# KiCad board panel.kicad_pcb (continued)
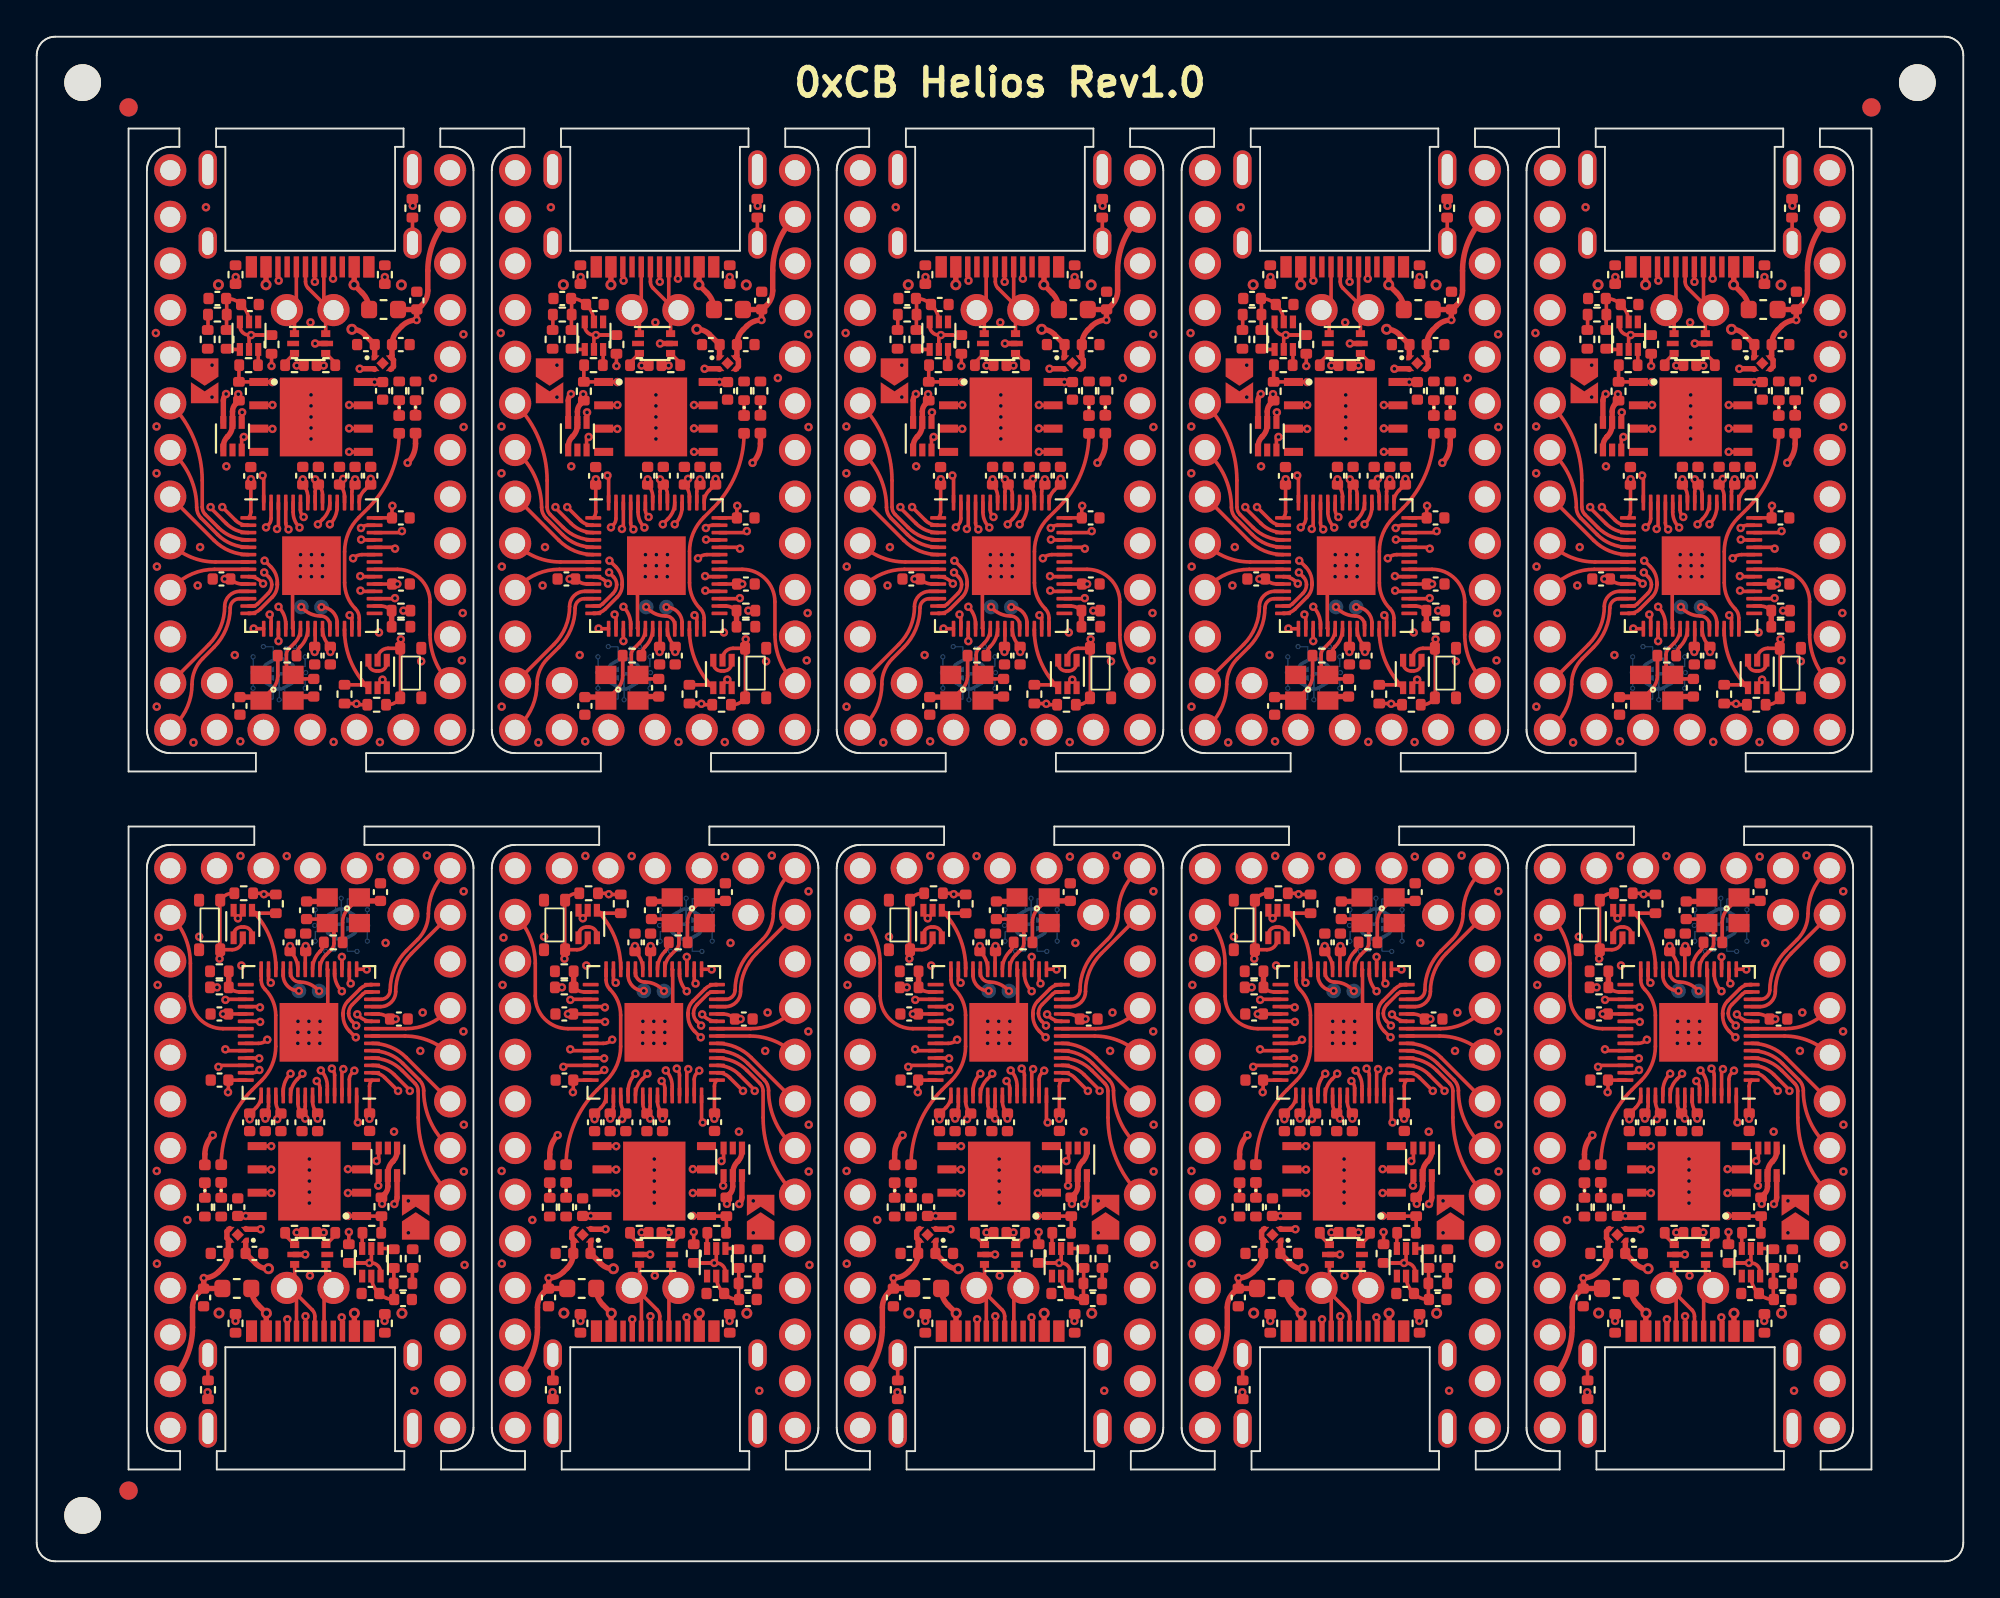
[diagram p0: board, top side]
## Nets (continued)
Board_2-VBUS: F1#7.1 J1.A4 J1.A9 J1.B4 J1.B9 R16#9.1
Board_3-+1V1: C10#4.2 C17#5.1 C19#2.1 U4#8.23 U4#8.45 U4#8.50
Board_3-+3V3: C5#7.1 C6#5.1 C9#4.2 C11#9.1 C12#5.1 C13#10.1 C14#2.1 C15#10.1 C16#6.1 C18.1 J2#4.27 JP1#6.1 R1.1 R2#9.1 R3#3.1 R11#10.1 U2#5.1 U3#2.8 U4#8.1 U4#8.10 U4#8.22 U4#8.33 U4#8.42 U4#8.43 U4#8.44 U4#8.48 U4#8.49 U5#3.1 U5#3.5
Board_3-+5V: C3#5.1 C4.1 F1#8.2 J2#4.30 U1#4.5 U2#5.3 U2#5.4 U5#3.6
Board_3-/0_TX0: J2#4.2 U4#8.2
Board_3-/1_RX0: J2#4.3 U4#8.3
Board_3-/2_SDA1: J2#4.6 U4#8.4
Board_3-/3_SCL1: J2#4.7 U4#8.5
Board_3-/4: J2#4.8 U4#8.6
Board_3-/5: J2#4.9 U4#8.7
Board_3-/6: J2#4.10 U4#8.8
Board_3-/7: J2#4.11 U4#8.9
Board_3-/8: J2#4.12 U4#8.11
Board_3-/9: J2#4.13 U4#8.12
Board_3-/10: J2#4.1 U4#8.13
Board_3-/11: J2#4.31 U4#8.14
Board_3-/12: J2#4.14 U4#8.15
Board_3-/13: J2#4.15 U4#8.16
Board_3-/14: J2#4.16 U4#8.17
Board_3-/15: J2#4.17 U4#8.18
Board_3-/16: J2#4.18 U4#8.27
Board_3-/20_SDI: J2#4.21 U4#8.31
Board_3-/21_CS: J2#4.19 U4#8.32
Board_3-/22_SCK: J2#4.22 U4#8.34
Board_3-/23_SDO: J2#4.20 U4#8.35
Board_3-/A0: J2#4.23 U4#8.38
Board_3-/A1: J2#4.24 U4#8.39
Board_3-/A2: J2#4.25 U4#8.40
Board_3-/A3: J2#4.26 U4#8.41
Board_3-/BOOT: Q2#4.3 R9#10.2
Board_3-/D+: R12#8.2 U4#8.47
Board_3-/D-: R13#5.2 U4#8.46
Board_3-/LED: D2#9.2 U4#8.28
Board_3-/PORT+: J1#8.A6 J1#8.B6 J2#4.34 U1#4.1
Board_3-/PORT-: J1#8.A7 J1#8.B7 J2#4.33 U1#4.6
Board_3-/QSPI_CLK: U3#2.6 U4#8.52
Board_3-/QSPI_CS: R9#10.1 R11#10.2 U3#2.1 U4#8.56
Board_3-/QSPI_SD0: U3#2.5 U4#8.53
Board_3-/QSPI_SD1: U3#2.2 U4#8.55
Board_3-/QSPI_SD2: U3#2.3 U4#8.54
Board_3-/QSPI_SD3: U3#2.7 U4#8.51
Board_3-/RESET: J2#4.28 Q1#6.2 R1.2 SW1.2
Board_3-/RGB_5V: J2#4.32 U5#3.4
Board_3-/RGB_DO: U4#8.37 U5#3.3
Board_3-/RST: Q1#6.4 R3#3.2 U4#8.26
Board_3-/SWD_CLK: TP1#9.1 U4#8.24
Board_3-/SWD_IO: TP2#5.1 U4#8.25
Board_3-/USB+: R12#8.1 U1#4.3
Board_3-/USB-: R13#5.1 U1#4.4
Board_3-GND: C1#9.2 C2#10.2 C3#5.2 C4.2 C5#7.2 C6#5.2 C7#9.1 C8#3.1 C9#4.1 C10#4.1 C11#9.2 C12#5.2 C13#10.2 C14#2.2 C15#10.2 C16#6.2 C17#5.2 C18.2 C19#2.2 FB1#9.2 J1#8.A1 J1#8.A12 J1#8.B1 J1#8.B12 J2#4.4 J2#4.5 J2#4.29 Q1#6.1 Q1#6.3 Q2#4.4 R6#6.2 R7#6.1 R8#10.1 R10#8.2 R15#8.2 R17#8.2 SW1.1 U1#4.2 U2#5.2 U3#2.4 U3#2.9 U4#8.19 U4#8.57 U5#3.2 Y1#6.2 Y1#6.4
Board_3-Net-(C1-Pad1): C1#9.1 C2#10.1 Q2#4.5 R4#6.2 R5#3.1
Board_3-Net-(C7-Pad2): C7#9.2 U4#8.20 Y1#6.3
Board_3-Net-(C8-Pad2): C8#3.2 R14#8.1 Y1#6.1
Board_3-Net-(D1-Pad1): D1#9.1 R10#8.1
Board_3-Net-(D1-Pad2): D1#9.2 JP1#6.2
Board_3-Net-(D2-Pad1): D2#9.1 R15#8.1
Board_3-Net-(FB1-Pad1): FB1#9.1 J1#8.S1
Board_3-Net-(J1-PadA5): J1#8.A5 R7#6.2
Board_3-Net-(J1-PadB5): J1#8.B5 R8#10.2
Board_3-Net-(Q1-Pad5): Q1#6.5 Q1#6.6 Q2#4.2 Q2#4.6 R2#9.2
Board_3-Net-(Q2-Pad1): Q2#4.1 R4#6.1
Board_3-Net-(R5-Pad2): R5#3.2 R6#6.1
Board_3-Net-(R14-Pad2): R14#8.2 U4#8.21
Board_3-unconnected-(J1-PadA8): J1#8.A8
Board_3-unconnected-(J1-PadB8): J1#8.B8
Board_3-unconnected-(U2-Pad5): U2#5.5
Board_3-unconnected-(U4-Pad29): U4#8.29
Board_3-unconnected-(U4-Pad36): U4#8.36
Board_3-VBUS: F1#8.1 J1#8.A4 J1#8.A9 J1#8.B4 J1#8.B9 R16#5.1
Board_4-+1V1: C10#5.2 C17#7.1 C19#10.1 U4.23 U4.45 U4.50
Board_4-+3V3: C5#3.1 C6#7.1 C9#9.2 C11#2.1 C12#7.1 C13#8.1 C14#4.1 C15#5.1 C16#10.1 C18#8.1 J2#8.27 JP1#4.1 R1#2.1 R2#3.1 R3#4.1 R11#7.1 U2#9.1 U3#9.8 U4.1 U4.10 U4.22 U4.33 U4.42 U4.43 U4.44 U4.48 U4.49 U5#6.1 U5#6.5
Board_4-+5V: C3#9.1 C4#6.1 F1#6.2 J2#8.30 U1#7.5 U2#9.3 U2#9.4 U5#6.6
Board_4-/0_TX0: J2#8.2 U4.2
Board_4-/1_RX0: J2#8.3 U4.3
Board_4-/2_SDA1: J2#8.6 U4.4
Board_4-/3_SCL1: J2#8.7 U4.5
Board_4-/4: J2#8.8 U4.6
Board_4-/5: J2#8.9 U4.7
Board_4-/6: J2#8.10 U4.8
Board_4-/7: J2#8.11 U4.9
Board_4-/8: J2#8.12 U4.11
Board_4-/9: J2#8.13 U4.12
Board_4-/10: J2#8.1 U4.13
Board_4-/11: J2#8.31 U4.14
Board_4-/12: J2#8.14 U4.15
Board_4-/13: J2#8.15 U4.16
Board_4-/14: J2#8.16 U4.17
Board_4-/15: J2#8.17 U4.18
Board_4-/16: J2#8.18 U4.27
Board_4-/20_SDI: J2#8.21 U4.31
Board_4-/21_CS: J2#8.19 U4.32
Board_4-/22_SCK: J2#8.22 U4.34
Board_4-/23_SDO: J2#8.20 U4.35
Board_4-/A0: J2#8.23 U4.38
Board_4-/A1: J2#8.24 U4.39
Board_4-/A2: J2#8.25 U4.40
Board_4-/A3: J2#8.26 U4.41
Board_4-/BOOT: Q2#5.3 R9#7.2
Board_4-/D+: R12#4.2 U4.47
Board_4-/D-: R13.2 U4.46
Board_4-/LED: D2#6.2 U4.28
Board_4-/PORT+: J1#3.A6 J1#3.B6 J2#8.34 U1#7.1
Board_4-/PORT-: J1#3.A7 J1#3.B7 J2#8.33 U1#7.6
Board_4-/QSPI_CLK: U3#9.6 U4.52
Board_4-/QSPI_CS: R9#7.1 R11#7.2 U3#9.1 U4.56
Board_4-/QSPI_SD0: U3#9.5 U4.53
Board_4-/QSPI_SD1: U3#9.2 U4.55
Board_4-/QSPI_SD2: U3#9.3 U4.54
Board_4-/QSPI_SD3: U3#9.7 U4.51
Board_4-/RESET: J2#8.28 Q1#10.2 R1#2.2 SW1#4.2
Board_4-/RGB_5V: J2#8.32 U5#6.4
Board_4-/RGB_DO: U4.37 U5#6.3
Board_4-/RST: Q1#10.4 R3#4.2 U4.26
Board_4-/SWD_CLK: TP1#5.1 U4.24
Board_4-/SWD_IO: TP2#8.1 U4.25
Board_4-/USB+: R12#4.1 U1#7.3
Board_4-/USB-: R13.1 U1#7.4
Board_4-GND: C1#3.2 C2#6.2 C3#9.2 C4#6.2 C5#3.2 C6#7.2 C7#10.1 C8#8.1 C9#9.1 C10#5.1 C11#2.2 C12#7.2 C13#8.2 C14#4.2 C15#5.2 C16#10.2 C17#7.2 C18#8.2 C19#10.2 FB1#8.2 J1#3.A1 J1#3.A12 J1#3.B1 J1#3.B12 J2#8.4 J2#8.5 J2#8.29 Q1#10.1 Q1#10.3 Q2#5.4 R6#3.2 R7#3.1 R8#4.1 R10.2 R15#6.2 R17#7.2 SW1#4.1 U1#7.2 U2#9.2 U3#9.4 U3#9.9 U4.19 U4.57 U5#6.2 Y1#3.2 Y1#3.4
Board_4-Net-(C1-Pad1): C1#3.1 C2#6.1 Q2#5.5 R4#7.2 R5#4.1
Board_4-Net-(C7-Pad2): C7#10.2 U4.20 Y1#3.3
Board_4-Net-(C8-Pad2): C8#8.2 R14#7.1 Y1#3.1
Board_4-Net-(D1-Pad1): D1#8.1 R10.1
Board_4-Net-(D1-Pad2): D1#8.2 JP1#4.2
Board_4-Net-(D2-Pad1): D2#6.1 R15#6.1
Board_4-Net-(FB1-Pad1): FB1#8.1 J1#3.S1
Board_4-Net-(J1-PadA5): J1#3.A5 R7#3.2
Board_4-Net-(J1-PadB5): J1#3.B5 R8#4.2
Board_4-Net-(Q1-Pad5): Q1#10.5 Q1#10.6 Q2#5.2 Q2#5.6 R2#3.2
Board_4-Net-(Q2-Pad1): Q2#5.1 R4#7.1
Board_4-Net-(R5-Pad2): R5#4.2 R6#3.1
Board_4-Net-(R14-Pad2): R14#7.2 U4.21
Board_4-unconnected-(J1-PadA8): J1#3.A8
Board_4-unconnected-(J1-PadB8): J1#3.B8
Board_4-unconnected-(U2-Pad5): U2#9.5
Board_4-unconnected-(U4-Pad29): U4.29
Board_4-unconnected-(U4-Pad36): U4.36
Board_4-VBUS: F1#6.1 J1#3.A4 J1#3.A9 J1#3.B4 J1#3.B9 R16#4.1
Board_5-+1V1: C10#3.2 C17#10.1 C19#8.1 U4#5.23 U4#5.45 U4#5.50
Board_5-+3V3: C5#9.1 C6.1 C9#3.2 C11#6.1 C12#8.1 C13#9.1 C14#5.1 C15#2.1 C16#2.1 C18#2.1 J2#7.27 JP1#5.1 R1#9.1 R2#4.1 R3#7.1 R11#3.1 U2#6.1 U3#8.8 U4#5.1 U4#5.10 U4#5.22 U4#5.33 U4#5.42 U4#5.43 U4#5.44 U4#5.48 U4#5.49 U5#4.1 U5#4.5
Board_5-+5V: C3#7.1 C4#4.1 F1#3.2 J2#7.30 U1#3.5 U2#6.3 U2#6.4 U5#4.6
Board_5-/0_TX0: J2#7.2 U4#5.2
Board_5-/1_RX0: J2#7.3 U4#5.3
Board_5-/2_SDA1: J2#7.6 U4#5.4
Board_5-/3_SCL1: J2#7.7 U4#5.5
Board_5-/4: J2#7.8 U4#5.6
Board_5-/5: J2#7.9 U4#5.7
Board_5-/6: J2#7.10 U4#5.8
Board_5-/7: J2#7.11 U4#5.9
Board_5-/8: J2#7.12 U4#5.11
Board_5-/9: J2#7.13 U4#5.12
Board_5-/10: J2#7.1 U4#5.13
Board_5-/11: J2#7.31 U4#5.14
Board_5-/12: J2#7.14 U4#5.15
Board_5-/13: J2#7.15 U4#5.16
Board_5-/14: J2#7.16 U4#5.17
Board_5-/15: J2#7.17 U4#5.18
Board_5-/16: J2#7.18 U4#5.27
Board_5-/20_SDI: J2#7.21 U4#5.31
Board_5-/21_CS: J2#7.19 U4#5.32
Board_5-/22_SCK: J2#7.22 U4#5.34
Board_5-/23_SDO: J2#7.20 U4#5.35
Board_5-/A0: J2#7.23 U4#5.38
Board_5-/A1: J2#7.24 U4#5.39
Board_5-/A2: J2#7.25 U4#5.40
Board_5-/A3: J2#7.26 U4#5.41
Board_5-/BOOT: Q2#7.3 R9#2.2
Board_5-/D+: R12#9.2 U4#5.47
Board_5-/D-: R13#9.2 U4#5.46
Board_5-/LED: D2#7.2 U4#5.28
Board_5-/PORT+: J1#10.A6 J1#10.B6 J2#7.34 U1#3.1
Board_5-/PORT-: J1#10.A7 J1#10.B7 J2#7.33 U1#3.6
Board_5-/QSPI_CLK: U3#8.6 U4#5.52
Board_5-/QSPI_CS: R9#2.1 R11#3.2 U3#8.1 U4#5.56
Board_5-/QSPI_SD0: U3#8.5 U4#5.53
Board_5-/QSPI_SD1: U3#8.2 U4#5.55
Board_5-/QSPI_SD2: U3#8.3 U4#5.54
Board_5-/QSPI_SD3: U3#8.7 U4#5.51
Board_5-/RESET: J2#7.28 Q1#8.2 R1#9.2 SW1#8.2
Board_5-/RGB_5V: J2#7.32 U5#4.4
Board_5-/RGB_DO: U4#5.37 U5#4.3
Board_5-/RST: Q1#8.4 R3#7.2 U4#5.26
Board_5-/SWD_CLK: TP1#2.1 U4#5.24
Board_5-/SWD_IO: TP2#7.1 U4#5.25
Board_5-/USB+: R12#9.1 U1#3.3
Board_5-/USB-: R13#9.1 U1#3.4
Board_5-GND: C1#2.2 C2.2 C3#7.2 C4#4.2 C5#9.2 C6.2 C7#6.1 C8#2.1 C9#3.1 C10#3.1 C11#6.2 C12#8.2 C13#9.2 C14#5.2 C15#2.2 C16#2.2 C17#10.2 C18#2.2 C19#8.2 FB1#7.2 J1#10.A1 J1#10.A12 J1#10.B1 J1#10.B12 J2#7.4 J2#7.5 J2#7.29 Q1#8.1 Q1#8.3 Q2#7.4 R6#10.2 R7#5.1 R8#8.1 R10#6.2 R15#7.2 R17#2.2 SW1#8.1 U1#3.2 U2#6.2 U3#8.4 U3#8.9 U4#5.19 U4#5.57 U5#4.2 Y1#9.2 Y1#9.4
Board_5-Net-(C1-Pad1): C1#2.1 C2.1 Q2#7.5 R4#10.2 R5#9.1
Board_5-Net-(C7-Pad2): C7#6.2 U4#5.20 Y1#9.3
Board_5-Net-(C8-Pad2): C8#2.2 R14#2.1 Y1#9.1
Board_5-Net-(D1-Pad1): D1#10.1 R10#6.1
Board_5-Net-(D1-Pad2): D1#10.2 JP1#5.2
Board_5-Net-(D2-Pad1): D2#7.1 R15#7.1
Board_5-Net-(FB1-Pad1): FB1#7.1 J1#10.S1
Board_5-Net-(J1-PadA5): J1#10.A5 R7#5.2
Board_5-Net-(J1-PadB5): J1#10.B5 R8#8.2
Board_5-Net-(Q1-Pad5): Q1#8.5 Q1#8.6 Q2#7.2 Q2#7.6 R2#4.2
Board_5-Net-(Q2-Pad1): Q2#7.1 R4#10.1
Board_5-Net-(R5-Pad2): R5#9.2 R6#10.1
Board_5-Net-(R14-Pad2): R14#2.2 U4#5.21
Board_5-unconnected-(J1-PadA8): J1#10.A8
Board_5-unconnected-(J1-PadB8): J1#10.B8
Board_5-unconnected-(U2-Pad5): U2#6.5
Board_5-unconnected-(U4-Pad29): U4#5.29
Board_5-unconnected-(U4-Pad36): U4#5.36
Board_5-VBUS: F1#3.1 J1#10.A4 J1#10.A9 J1#10.B4 J1#10.B9 R16#3.1
Board_6-+1V1: C10#9.2 C17#3.1 C19#3.1 U4#10.23 U4#10.45 U4#10.50
Board_6-+3V3: C5#2.1 C6#6.1 C9#6.2 C11#7.1 C12#6.1 C13#7.1 C14#10.1 C15#4.1 C16#9.1 C18#9.1 J2.27 JP1#9.1 R1#6.1 R2#2.1 R3#8.1 R11#9.1 U2.1 U3#3.8 U4#10.1 U4#10.10 U4#10.22 U4#10.33 U4#10.42 U4#10.43 U4#10.44 U4#10.48 U4#10.49 U5#10.1 U5#10.5
Board_6-+5V: C3#6.1 C4#9.1 F1#10.2 J2.30 U1#10.5 U2.3 U2.4 U5#10.6
Board_6-/0_TX0: J2.2 U4#10.2
Board_6-/1_RX0: J2.3 U4#10.3
Board_6-/2_SDA1: J2.6 U4#10.4
Board_6-/3_SCL1: J2.7 U4#10.5
Board_6-/4: J2.8 U4#10.6
Board_6-/5: J2.9 U4#10.7
Board_6-/6: J2.10 U4#10.8
Board_6-/7: J2.11 U4#10.9
Board_6-/8: J2.12 U4#10.11
Board_6-/9: J2.13 U4#10.12
Board_6-/10: J2.1 U4#10.13
Board_6-/11: J2.31 U4#10.14
Board_6-/12: J2.14 U4#10.15
Board_6-/13: J2.15 U4#10.16
Board_6-/14: J2.16 U4#10.17
Board_6-/15: J2.17 U4#10.18
Board_6-/16: J2.18 U4#10.27
Board_6-/20_SDI: J2.21 U4#10.31
Board_6-/21_CS: J2.19 U4#10.32
Board_6-/22_SCK: J2.22 U4#10.34
Board_6-/23_SDO: J2.20 U4#10.35
Board_6-/A0: J2.23 U4#10.38
Board_6-/A1: J2.24 U4#10.39
Board_6-/A2: J2.25 U4#10.40
Board_6-/A3: J2.26 U4#10.41
Board_6-/BOOT: Q2.3 R9#4.2
Board_6-/D+: R12#2.2 U4#10.47
Board_6-/D-: R13#6.2 U4#10.46
Board_6-/LED: D2#3.2 U4#10.28
Board_6-/PORT+: J1#7.A6 J1#7.B6 J2.34 U1#10.1
Board_6-/PORT-: J1#7.A7 J1#7.B7 J2.33 U1#10.6
Board_6-/QSPI_CLK: U3#3.6 U4#10.52
Board_6-/QSPI_CS: R9#4.1 R11#9.2 U3#3.1 U4#10.56
Board_6-/QSPI_SD0: U3#3.5 U4#10.53
Board_6-/QSPI_SD1: U3#3.2 U4#10.55
Board_6-/QSPI_SD2: U3#3.3 U4#10.54
Board_6-/QSPI_SD3: U3#3.7 U4#10.51
Board_6-/RESET: J2.28 Q1#3.2 R1#6.2 SW1#3.2
Board_6-/RGB_5V: J2.32 U5#10.4
Board_6-/RGB_DO: U4#10.37 U5#10.3
Board_6-/RST: Q1#3.4 R3#8.2 U4#10.26
Board_6-/SWD_CLK: TP1#10.1 U4#10.24
Board_6-/SWD_IO: TP2#6.1 U4#10.25
Board_6-/USB+: R12#2.1 U1#10.3
Board_6-/USB-: R13#6.1 U1#10.4
Board_6-GND: C1#5.2 C2#8.2 C3#6.2 C4#9.2 C5#2.2 C6#6.2 C7#5.1 C8#4.1 C9#6.1 C10#9.1 C11#7.2 C12#6.2 C13#7.2 C14#10.2 C15#4.2 C16#9.2 C17#3.2 C18#9.2 C19#3.2 FB1.2 J1#7.A1 J1#7.A12 J1#7.B1 J1#7.B12 J2.4 J2.5 J2.29 Q1#3.1 Q1#3.3 Q2.4 R6#9.2 R7#2.1 R8#5.1 R10#7.2 R15.2 R17#6.2 SW1#3.1 U1#10.2 U2.2 U3#3.4 U3#3.9 U4#10.19 U4#10.57 U5#10.2 Y1#4.2 Y1#4.4
Board_6-Net-(C1-Pad1): C1#5.1 C2#8.1 Q2.5 R4#9.2 R5#8.1
Board_6-Net-(C7-Pad2): C7#5.2 U4#10.20 Y1#4.3
Board_6-Net-(C8-Pad2): C8#4.2 R14.1 Y1#4.1
Board_6-Net-(D1-Pad1): D1#3.1 R10#7.1
Board_6-Net-(D1-Pad2): D1#3.2 JP1#9.2
Board_6-Net-(D2-Pad1): D2#3.1 R15.1
Board_6-Net-(FB1-Pad1): FB1.1 J1#7.S1
Board_6-Net-(J1-PadA5): J1#7.A5 R7#2.2
Board_6-Net-(J1-PadB5): J1#7.B5 R8#5.2
Board_6-Net-(Q1-Pad5): Q1#3.5 Q1#3.6 Q2.2 Q2.6 R2#2.2
Board_6-Net-(Q2-Pad1): Q2.1 R4#9.1
Board_6-Net-(R5-Pad2): R5#8.2 R6#9.1
Board_6-Net-(R14-Pad2): R14.2 U4#10.21
Board_6-unconnected-(J1-PadA8): J1#7.A8
Board_6-unconnected-(J1-PadB8): J1#7.B8
Board_6-unconnected-(U2-Pad5): U2.5
Board_6-unconnected-(U4-Pad29): U4#10.29
Board_6-unconnected-(U4-Pad36): U4#10.36
Board_6-VBUS: F1#10.1 J1#7.A4 J1#7.A9 J1#7.B4 J1#7.B9 R16#7.1
Board_7-+1V1: C10.2 C17#8.1 C19.1 U4#3.23 U4#3.45 U4#3.50
Board_7-+3V3: C5#10.1 C6#2.1 C9#8.2 C11#8.1 C12#4.1 C13#5.1 C14#6.1 C15#6.1 C16#3.1 C18#10.1 J2#10.27 JP1#8.1 R1#4.1 R2#5.1 R3.1 R11#6.1 U2#4.1 U3#10.8 U4#3.1 U4#3.10 U4#3.22 U4#3.33 U4#3.42 U4#3.43 U4#3.44 U4#3.48 U4#3.49 U5#5.1 U5#5.5
Board_7-+5V: C3#10.1 C4#5.1 F1#9.2 J2#10.30 U1#6.5 U2#4.3 U2#4.4 U5#5.6
Board_7-/0_TX0: J2#10.2 U4#3.2
Board_7-/1_RX0: J2#10.3 U4#3.3
Board_7-/2_SDA1: J2#10.6 U4#3.4
Board_7-/3_SCL1: J2#10.7 U4#3.5
Board_7-/4: J2#10.8 U4#3.6
Board_7-/5: J2#10.9 U4#3.7
Board_7-/6: J2#10.10 U4#3.8
Board_7-/7: J2#10.11 U4#3.9
Board_7-/8: J2#10.12 U4#3.11
Board_7-/9: J2#10.13 U4#3.12
Board_7-/10: J2#10.1 U4#3.13
Board_7-/11: J2#10.31 U4#3.14
Board_7-/12: J2#10.14 U4#3.15
Board_7-/13: J2#10.15 U4#3.16
Board_7-/14: J2#10.16 U4#3.17
Board_7-/15: J2#10.17 U4#3.18
Board_7-/16: J2#10.18 U4#3.27
Board_7-/20_SDI: J2#10.21 U4#3.31
Board_7-/21_CS: J2#10.19 U4#3.32
Board_7-/22_SCK: J2#10.22 U4#3.34
Board_7-/23_SDO: J2#10.20 U4#3.35
Board_7-/A0: J2#10.23 U4#3.38
Board_7-/A1: J2#10.24 U4#3.39
Board_7-/A2: J2#10.25 U4#3.40
Board_7-/A3: J2#10.26 U4#3.41
Board_7-/BOOT: Q2#3.3 R9#9.2
Board_7-/D+: R12#3.2 U4#3.47
Board_7-/D-: R13#7.2 U4#3.46
Board_7-/LED: D2#5.2 U4#3.28
Board_7-/PORT+: J1#4.A6 J1#4.B6 J2#10.34 U1#6.1
Board_7-/PORT-: J1#4.A7 J1#4.B7 J2#10.33 U1#6.6
Board_7-/QSPI_CLK: U3#10.6 U4#3.52
Board_7-/QSPI_CS: R9#9.1 R11#6.2 U3#10.1 U4#3.56
Board_7-/QSPI_SD0: U3#10.5 U4#3.53
Board_7-/QSPI_SD1: U3#10.2 U4#3.55
Board_7-/QSPI_SD2: U3#10.3 U4#3.54
Board_7-/QSPI_SD3: U3#10.7 U4#3.51
Board_7-/RESET: J2#10.28 Q1#7.2 R1#4.2 SW1#5.2
Board_7-/RGB_5V: J2#10.32 U5#5.4
Board_7-/RGB_DO: U4#3.37 U5#5.3
Board_7-/RST: Q1#7.4 R3.2 U4#3.26
Board_7-/SWD_CLK: TP1#8.1 U4#3.24
Board_7-/SWD_IO: TP2.1 U4#3.25
Board_7-/USB+: R12#3.1 U1#6.3
Board_7-/USB-: R13#7.1 U1#6.4
Board_7-GND: C1.2 C2#7.2 C3#10.2 C4#5.2 C5#10.2 C6#2.2 C7#7.1 C8.1 C9#8.1 C10.1 C11#8.2 C12#4.2 C13#5.2 C14#6.2 C15#6.2 C16#3.2 C17#8.2 C18#10.2 C19.2 FB1#4.2 J1#4.A1 J1#4.A12 J1#4.B1 J1#4.B12 J2#10.4 J2#10.5 J2#10.29 Q1#7.1 Q1#7.3 Q2#3.4 R6.2 R7.1 R8#3.1 R10#2.2 R15#4.2 R17.2 SW1#5.1 U1#6.2 U2#4.2 U3#10.4 U3#10.9 U4#3.19 U4#3.57 U5#5.2 Y1#7.2 Y1#7.4
Board_7-Net-(C1-Pad1): C1.1 C2#7.1 Q2#3.5 R4.2 R5#2.1
Board_7-Net-(C7-Pad2): C7#7.2 U4#3.20 Y1#7.3
Board_7-Net-(C8-Pad2): C8.2 R14#5.1 Y1#7.1
Board_7-Net-(D1-Pad1): D1#2.1 R10#2.1
Board_7-Net-(D1-Pad2): D1#2.2 JP1#8.2
Board_7-Net-(D2-Pad1): D2#5.1 R15#4.1
Board_7-Net-(FB1-Pad1): FB1#4.1 J1#4.S1
Board_7-Net-(J1-PadA5): J1#4.A5 R7.2
Board_7-Net-(J1-PadB5): J1#4.B5 R8#3.2
Board_7-Net-(Q1-Pad5): Q1#7.5 Q1#7.6 Q2#3.2 Q2#3.6 R2#5.2
Board_7-Net-(Q2-Pad1): Q2#3.1 R4.1
Board_7-Net-(R5-Pad2): R5#2.2 R6.1
Board_7-Net-(R14-Pad2): R14#5.2 U4#3.21
Board_7-unconnected-(J1-PadA8): J1#4.A8
Board_7-unconnected-(J1-PadB8): J1#4.B8
Board_7-unconnected-(U2-Pad5): U2#4.5
Board_7-unconnected-(U4-Pad29): U4#3.29
Board_7-unconnected-(U4-Pad36): U4#3.36
Board_7-VBUS: F1#9.1 J1#4.A4 J1#4.A9 J1#4.B4 J1#4.B9 R16#6.1
Board_8-+1V1: C10#8.2 C17#9.1 C19#9.1 U4#4.23 U4#4.45 U4#4.50
Board_8-+3V3: C5#8.1 C6#4.1 C9#2.2 C11.1 C12.1 C13#6.1 C14#3.1 C15#9.1 C16#4.1 C18#3.1 J2#2.27 JP1.1 R1#5.1 R2#10.1 R3#10.1 R11#4.1 U2#10.1 U3#4.8 U4#4.1 U4#4.10 U4#4.22 U4#4.33 U4#4.42 U4#4.43 U4#4.44 U4#4.48 U4#4.49 U5#2.1 U5#2.5
Board_8-+5V: C3#8.1 C4#2.1 F1#5.2 J2#2.30 U1#9.5 U2#10.3 U2#10.4 U5#2.6
Board_8-/0_TX0: J2#2.2 U4#4.2
Board_8-/1_RX0: J2#2.3 U4#4.3
Board_8-/2_SDA1: J2#2.6 U4#4.4
Board_8-/3_SCL1: J2#2.7 U4#4.5
Board_8-/4: J2#2.8 U4#4.6
Board_8-/5: J2#2.9 U4#4.7
Board_8-/6: J2#2.10 U4#4.8
Board_8-/7: J2#2.11 U4#4.9
Board_8-/8: J2#2.12 U4#4.11
Board_8-/9: J2#2.13 U4#4.12
Board_8-/10: J2#2.1 U4#4.13
Board_8-/11: J2#2.31 U4#4.14
Board_8-/12: J2#2.14 U4#4.15
Board_8-/13: J2#2.15 U4#4.16
Board_8-/14: J2#2.16 U4#4.17
Board_8-/15: J2#2.17 U4#4.18
Board_8-/16: J2#2.18 U4#4.27
Board_8-/20_SDI: J2#2.21 U4#4.31
Board_8-/21_CS: J2#2.19 U4#4.32
Board_8-/22_SCK: J2#2.22 U4#4.34
Board_8-/23_SDO: J2#2.20 U4#4.35
Board_8-/A0: J2#2.23 U4#4.38
Board_8-/A1: J2#2.24 U4#4.39
Board_8-/A2: J2#2.25 U4#4.40
Board_8-/A3: J2#2.26 U4#4.41
Board_8-/BOOT: Q2#8.3 R9#8.2
Board_8-/D+: R12#10.2 U4#4.47
Board_8-/D-: R13#4.2 U4#4.46
Board_8-/LED: D2#10.2 U4#4.28
Board_8-/PORT+: J1#6.A6 J1#6.B6 J2#2.34 U1#9.1
Board_8-/PORT-: J1#6.A7 J1#6.B7 J2#2.33 U1#9.6
Board_8-/QSPI_CLK: U3#4.6 U4#4.52
Board_8-/QSPI_CS: R9#8.1 R11#4.2 U3#4.1 U4#4.56
Board_8-/QSPI_SD0: U3#4.5 U4#4.53
Board_8-/QSPI_SD1: U3#4.2 U4#4.55
Board_8-/QSPI_SD2: U3#4.3 U4#4.54
Board_8-/QSPI_SD3: U3#4.7 U4#4.51
Board_8-/RESET: J2#2.28 Q1#5.2 R1#5.2 SW1#10.2
Board_8-/RGB_5V: J2#2.32 U5#2.4
Board_8-/RGB_DO: U4#4.37 U5#2.3
Board_8-/RST: Q1#5.4 R3#10.2 U4#4.26
Board_8-/SWD_CLK: TP1#4.1 U4#4.24
Board_8-/SWD_IO: TP2#3.1 U4#4.25
Board_8-/USB+: R12#10.1 U1#9.3
Board_8-/USB-: R13#4.1 U1#9.4
Board_8-GND: C1#10.2 C2#3.2 C3#8.2 C4#2.2 C5#8.2 C6#4.2 C7#8.1 C8#10.1 C9#2.1 C10#8.1 C11.2 C12.2 C13#6.2 C14#3.2 C15#9.2 C16#4.2 C17#9.2 C18#3.2 C19#9.2 FB1#10.2 J1#6.A1 J1#6.A12 J1#6.B1 J1#6.B12 J2#2.4 J2#2.5 J2#2.29 Q1#5.1 Q1#5.3 Q2#8.4 R6#2.2 R7#7.1 R8.1 R10#9.2 R15#2.2 R17#9.2 SW1#10.1 U1#9.2 U2#10.2 U3#4.4 U3#4.9 U4#4.19 U4#4.57 U5#2.2 Y1#5.2 Y1#5.4
Board_8-Net-(C1-Pad1): C1#10.1 C2#3.1 Q2#8.5 R4#5.2 R5#10.1
Board_8-Net-(C7-Pad2): C7#8.2 U4#4.20 Y1#5.3
Board_8-Net-(C8-Pad2): C8#10.2 R14#4.1 Y1#5.1
Board_8-Net-(D1-Pad1): D1#4.1 R10#9.1
Board_8-Net-(D1-Pad2): D1#4.2 JP1.2
Board_8-Net-(D2-Pad1): D2#10.1 R15#2.1
Board_8-Net-(FB1-Pad1): FB1#10.1 J1#6.S1
Board_8-Net-(J1-PadA5): J1#6.A5 R7#7.2
Board_8-Net-(J1-PadB5): J1#6.B5 R8.2
Board_8-Net-(Q1-Pad5): Q1#5.5 Q1#5.6 Q2#8.2 Q2#8.6 R2#10.2
Board_8-Net-(Q2-Pad1): Q2#8.1 R4#5.1
Board_8-Net-(R5-Pad2): R5#10.2 R6#2.1
Board_8-Net-(R14-Pad2): R14#4.2 U4#4.21
Board_8-unconnected-(J1-PadA8): J1#6.A8
Board_8-unconnected-(J1-PadB8): J1#6.B8
Board_8-unconnected-(U2-Pad5): U2#10.5
Board_8-unconnected-(U4-Pad29): U4#4.29
Board_8-unconnected-(U4-Pad36): U4#4.36
Board_8-VBUS: F1#5.1 J1#6.A4 J1#6.A9 J1#6.B4 J1#6.B9 R16.1
Board_9-+1V1: C10#6.2 C17#4.1 C19#7.1 U4#2.23 U4#2.45 U4#2.50
Board_9-+3V3: C5.1 C6#3.1 C9.2 C11#5.1 C12#10.1 C13.1 C14#9.1 C15#3.1 C16#5.1 C18#5.1 J2#3.27 JP1#2.1 R1#7.1 R2#6.1 R3#5.1 R11.1 U2#3.1 U3.8 U4#2.1 U4#2.10 U4#2.22 U4#2.33 U4#2.42 U4#2.43 U4#2.44 U4#2.48 U4#2.49 U5#7.1 U5#7.5
Board_9-+5V: C3.1 C4#8.1 F1.2 J2#3.30 U1.5 U2#3.3 U2#3.4 U5#7.6
Board_9-/0_TX0: J2#3.2 U4#2.2
Board_9-/1_RX0: J2#3.3 U4#2.3
Board_9-/2_SDA1: J2#3.6 U4#2.4
Board_9-/3_SCL1: J2#3.7 U4#2.5
Board_9-/4: J2#3.8 U4#2.6
Board_9-/5: J2#3.9 U4#2.7
Board_9-/6: J2#3.10 U4#2.8
Board_9-/7: J2#3.11 U4#2.9
Board_9-/8: J2#3.12 U4#2.11
Board_9-/9: J2#3.13 U4#2.12
Board_9-/10: J2#3.1 U4#2.13
Board_9-/11: J2#3.31 U4#2.14
Board_9-/12: J2#3.14 U4#2.15
Board_9-/13: J2#3.15 U4#2.16
Board_9-/14: J2#3.16 U4#2.17
Board_9-/15: J2#3.17 U4#2.18
Board_9-/16: J2#3.18 U4#2.27
Board_9-/20_SDI: J2#3.21 U4#2.31
Board_9-/21_CS: J2#3.19 U4#2.32
Board_9-/22_SCK: J2#3.22 U4#2.34
Board_9-/23_SDO: J2#3.20 U4#2.35
Board_9-/A0: J2#3.23 U4#2.38
Board_9-/A1: J2#3.24 U4#2.39
Board_9-/A2: J2#3.25 U4#2.40
Board_9-/A3: J2#3.26 U4#2.41
Board_9-/BOOT: Q2#9.3 R9#3.2
Board_9-/D+: R12#7.2 U4#2.47
Board_9-/D-: R13#2.2 U4#2.46
Board_9-/LED: D2.2 U4#2.28
Board_9-/PORT+: J1#2.A6 J1#2.B6 J2#3.34 U1.1
Board_9-/PORT-: J1#2.A7 J1#2.B7 J2#3.33 U1.6
Board_9-/QSPI_CLK: U3.6 U4#2.52
Board_9-/QSPI_CS: R9#3.1 R11.2 U3.1 U4#2.56
Board_9-/QSPI_SD0: U3.5 U4#2.53
Board_9-/QSPI_SD1: U3.2 U4#2.55
Board_9-/QSPI_SD2: U3.3 U4#2.54
Board_9-/QSPI_SD3: U3.7 U4#2.51
Board_9-/RESET: J2#3.28 Q1#2.2 R1#7.2 SW1#9.2
Board_9-/RGB_5V: J2#3.32 U5#7.4
Board_9-/RGB_DO: U4#2.37 U5#7.3
Board_9-/RST: Q1#2.4 R3#5.2 U4#2.26
Board_9-/SWD_CLK: TP1#6.1 U4#2.24
Board_9-/SWD_IO: TP2#9.1 U4#2.25
Board_9-/USB+: R12#7.1 U1.3
Board_9-/USB-: R13#2.1 U1.4
Board_9-GND: C1#8.2 C2#9.2 C3.2 C4#8.2 C5.2 C6#3.2 C7#3.1 C8#5.1 C9.1 C10#6.1 C11#5.2 C12#10.2 C13.2 C14#9.2 C15#3.2 C16#5.2 C17#4.2 C18#5.2 C19#7.2 FB1#2.2 J1#2.A1 J1#2.A12 J1#2.B1 J1#2.B12 J2#3.4 J2#3.5 J2#3.29 Q1#2.1 Q1#2.3 Q2#9.4 R6#4.2 R7#10.1 R8#2.1 R10#5.2 R15#3.2 R17#4.2 SW1#9.1 U1.2 U2#3.2 U3.4 U3.9 U4#2.19 U4#2.57 U5#7.2 Y1#8.2 Y1#8.4
Board_9-Net-(C1-Pad1): C1#8.1 C2#9.1 Q2#9.5 R4#2.2 R5#7.1
Board_9-Net-(C7-Pad2): C7#3.2 U4#2.20 Y1#8.3
Board_9-Net-(C8-Pad2): C8#5.2 R14#9.1 Y1#8.1
Board_9-Net-(D1-Pad1): D1.1 R10#5.1
Board_9-Net-(D1-Pad2): D1.2 JP1#2.2
Board_9-Net-(D2-Pad1): D2.1 R15#3.1
Board_9-Net-(FB1-Pad1): FB1#2.1 J1#2.S1
Board_9-Net-(J1-PadA5): J1#2.A5 R7#10.2
Board_9-Net-(J1-PadB5): J1#2.B5 R8#2.2
Board_9-Net-(Q1-Pad5): Q1#2.5 Q1#2.6 Q2#9.2 Q2#9.6 R2#6.2
Board_9-Net-(Q2-Pad1): Q2#9.1 R4#2.1
Board_9-Net-(R5-Pad2): R5#7.2 R6#4.1
Board_9-Net-(R14-Pad2): R14#9.2 U4#2.21
Board_9-unconnected-(J1-PadA8): J1#2.A8
Board_9-unconnected-(J1-PadB8): J1#2.B8
Board_9-unconnected-(U2-Pad5): U2#3.5
Board_9-unconnected-(U4-Pad29): U4#2.29
Board_9-unconnected-(U4-Pad36): U4#2.36
Board_9-VBUS: F1.1 J1#2.A4 J1#2.A9 J1#2.B4 J1#2.B9 R16#10.1

Pads without a net: J1 S2 S3 S4; J1#2 S2 S3 S4; J1#3 S2 S3 S4; J1#4 S2 S3 S4; J1#5 S2 S3 S4; J1#6 S2 S3 S4; J1#7 S2 S3 S4; J1#8 S2 S3 S4; J1#9 S2 S3 S4; J1#10 S2 S3 S4

## Via types
v1: diameter 0.46, hole 0.2, Top to Bottom, 1060 vias
v2: diameter 0.6, hole 0.3, Top to Bottom, 50 vias

## Routing (per net, layer and track width the routed paths; a pad name or vN(x,y) marks a point on that pad's centre or on a via; arc(x,y) is an arc through that point)
Board_0-/VBUS_DETECT: length 1.9
  Top w0.2: 18.37,52.03 18.72,52.03 arc(19.05,51.97) R16#8.2
  Top w0.3: R17#3.1 R16#8.2
Board_1-/VBUS_DETECT: length 1.9
  Top w0.2: 37.15,52.03 37.5,52.03 arc(37.83,51.97) 38.1,51.78
  Top w0.3: 38.1,50.91 38.1,51.78
Board_2-/VBUS_DETECT: length 1.9
  Top w0.2: 55.93,52.03 56.28,52.03 arc(56.61,51.97) R16#9.2
  Top w0.3: R17#5.1 R16#9.2
Board_3-/VBUS_DETECT: length 1.9
  Top w0.2: 74.71,52.03 75.06,52.03 arc(75.39,51.97) R16#5.2
  Top w0.3: R17#8.1 R16#5.2
Board_4-/VBUS_DETECT: length 1.9
  Top w0.2: 93.49,52.03 93.84,52.03 arc(94.17,51.97) R16#4.2
  Top w0.3: R17#7.1 R16#4.2
Board_5-/VBUS_DETECT: length 1.9
  Top w0.2: 11.41,31.01 11.06,31.01 arc(10.73,31.07) R16#3.2
  Top w0.3: R17#2.1 R16#3.2
Board_6-/VBUS_DETECT: length 1.9
  Top w0.2: 30.19,31.01 29.84,31.01 arc(29.51,31.07) R16#7.2
  Top w0.3: R17#6.1 R16#7.2
Board_7-/VBUS_DETECT: length 1.9
  Top w0.2: 48.97,31.01 48.62,31.01 arc(48.29,31.07) R16#6.2
  Top w0.3: R17.1 R16#6.2
Board_8-/VBUS_DETECT: length 1.9
  Top w0.2: 67.75,31.01 67.4,31.01 arc(67.07,31.07) R16.2
  Top w0.3: R17#9.1 R16.2
Board_9-/VBUS_DETECT: length 1.9
  Top w0.2: 86.53,31.01 86.18,31.01 arc(85.85,31.07) R16#10.2
  Top w0.3: R17#4.1 R16#10.2
Board_0-+1V1: length 15.6
  Top w0.2: v1(14.48,58.93) C17.1 arc(14.69,58.35) 14.76,57.99 U4#7.50 ; v1(15.98,49.53) C19#4.1 15.95,49.84 arc(15.66,50.28) U4#7.23 ; U4#7.45 16.76,57.99 arc(16.69,58.35) C10#7.2
  In2.Cu w0.2: v1(16.68,58.96) 15.59,57.86 15.56,57.86 ; v1(14.48,58.93) 15.56,57.86 ; 15.56,57.86 15.98,57.43 arc(16.35,56.88) 16.48,56.22 16.48,50.74 arc(16.36,50.08) v1(15.98,49.53)
Board_0-+3V3: length 20.9
  Top w0.2: 18.37,53.23 C12#9.1 v1(19.63,53.23) ; R3#6.1 17.4,46.72 v1(17.41,46.71) 17.46,46.66 R1#10.1 ; v1(10.23,53.51) C15#8.1 arc(10.84,53.3) 11.2,53.23 U4#7.10 ; v1(19.37,57.49) 19.34,57.47 19.34,56.83 18.37,56.83 ; C6#8.1 v1(18.4,64.23) 18.39,64.24 U3#5.8 ; v1(10.98,63.57) 11.01,63.54 R11#2.1 ; v1(15.16,58.93) 15.34,58.76 C14.1 ; C16#7.1 11.66,58.93 v1(11.66,58.94) ; U4#7.44 17.16,58.27 arc(17.2,58.46) 17.31,58.62 C9#5.2 v1(17.34,58.93) ; v1(18.19,58.96) 18.19,58.68 17.83,58.33 arc(17.63,58.03) U4#7.43 ; U4#7.49 15.16,58.27 arc(15.2,58.46) 15.31,58.62 C14.1 ; U4#7.22 15.16,49.84 C11#4.1 ; U4#7.48 15.56,58.11 arc(15.5,58.4) C14.1 ; 11.66,58.35 11.66,57.16 arc(11.62,56.98) U4#7.1 ; R2.1 v1(12.79,65.11)
  Top w0.3: U5.1 10.16,60.72 arc(10.22,61.01) 10.38,61.25 10.39,61.26 arc(10.59,61.56) 10.66,61.91 U5.5 10.66,62.62 arc(10.71,62.85) 10.83,63.04 R11#2.1 ; U2#2.1 18.4,66.27 ; C5#6.1 17.85,66.83 arc(17.53,67.04) 17.16,67.11
  vias: v1(9.55,65.15) v1(10.32,59.64) v1(15.14,49.53) v2(17.16,67.11)
Board_0-+5V: length 25.3
  Top w0.3: 20.69,68.18 C3#3.1 20.74,68.19 20.96,68.41 arc(21.21,68.78) 21.3,69.21 21.3,70.3 arc(21.61,71.88) J2#6.30 ; 20.69,68.18 v1(20.69,67.61) arc(20.25,67.52) 19.88,67.28 19.68,67.07 arc(19.43,66.7) 19.34,66.27 19.34,65.67 U2#2.4 19.42,65.44 19.42,65.07 U2#2.3 ; 20.69,68.18 F1#4.2 ; U5.6 10.16,63.22 arc(10.2,63.41) 10.31,63.58 v1(10.31,63.58) ; U1#8.5 v1(15.16,66.33)
  In1.Cu w0.3: v1(20.69,67.61) arc(19.18,66.6) 17.4,66.25 15.24,66.25 v1(15.16,66.33) 15.09,66.26 12.99,66.26 arc(11.09,65.47) v1(10.31,63.58)
Board_0-/0_TX0: length 18.4
  Top w0.2: U4#7.2 11.47,56.43 arc(11.12,56.5) 10.83,56.7 v1(10.11,57.42)
  In1.Cu w0.2: J2#6.2 7.27,72.66 arc(7.31,72.47) 7.42,72.31 7.45,72.27 arc(8.34,70.94) 8.66,69.36 8.66,60.13 arc(8.84,59.22) 9.35,58.45 9.91,57.89 arc(10.05,57.67) v1(10.11,57.42)
Board_0-/1_RX0: length 16.4
  Top w0.2: v1(9.46,57.42) 9.46,57.38 10.31,56.53 arc(10.87,56.16) U4#7.3
  In1.Cu w0.2: v1(9.46,57.42) 9.46,57.44 arc(9.38,57.88) 9.13,58.24 arc(8.56,59.11) 8.36,60.12 8.36,68.07 arc(8.07,69.49) J2#6.3
Board_0-/2_SDA1: length 9.4
  Top w0.2: U4#7.4 arc(10.64,55.81) 9.89,56.31 9.18,57.01 arc(9.05,57.2) 9.01,57.43 9.01,58.87 arc(8.56,61.14) J2#6.6
Board_0-/3_SCL1: length 7.3
  Top w0.2: J2#6.7 7.52,60.28 arc(8.4,58.96) 8.71,57.4 arc(8.77,57.09) 8.95,56.82 9.85,55.92 arc(10.62,55.41) U4#7.5
Board_0-/4: length 5.4
  Top w0.2: J2#6.8 9.66,55.6 arc(10.51,55.03) U4#7.6